# Altium PCB mantarray_beta2_sensor_arrayed.PcbDoc (part 3 of 14)
Units mil, origin at the board's own origin, x right, y up, seen from the top; angles counter-clockwise.
Board outline 6232.47 x 10167.51 mil, 8 copper layers (Layer1_Top, Layer2_sig1, Layer3_AVDD_PLANE, Layer4_GND_PLANE, Layer5_DVDD_PLANE, Layer6_BUS, Layer7_sig2, Layer8_BOT), stack 50.224 mil thick; 470 components, 492 nets, 4650 pads, 3798 vias.
Unrouted connection lines stored in the file: 3.
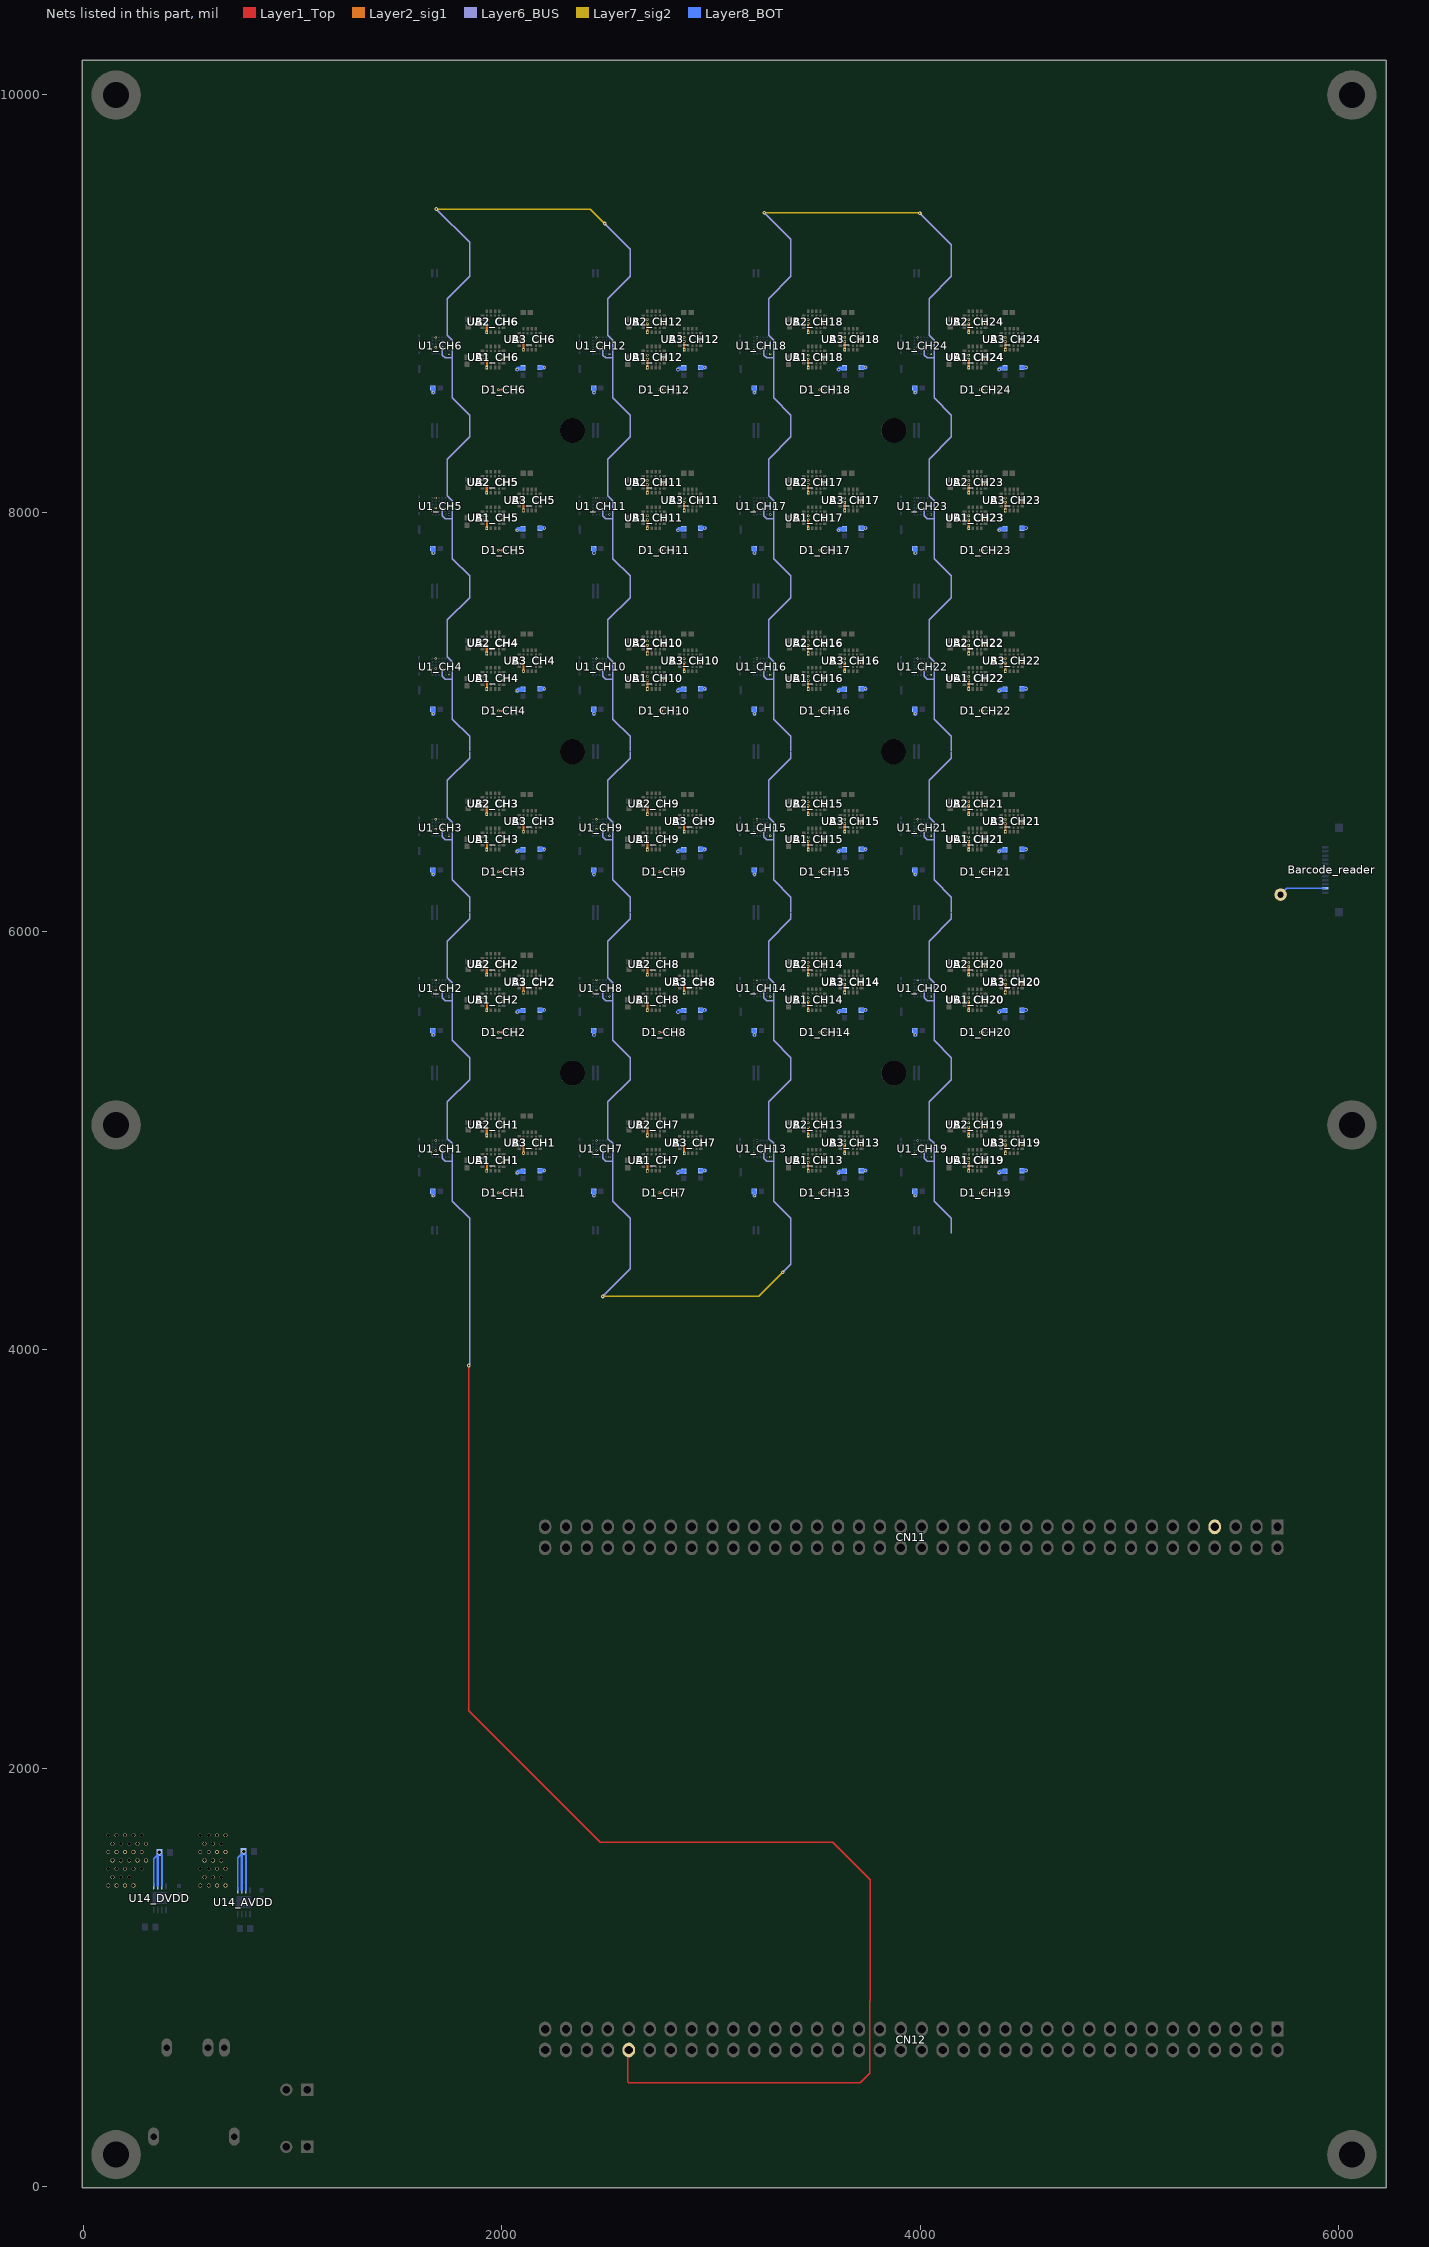
[diagram p9: the nets of this part, all layers, seen from the top]

## Via types
v1: diameter 12/12/12/12/12 (per signal layer), hole 7.87, Layer1_Top to Layer8_BOT, 2208 vias
v2: diameter 32, hole 20, Layer1_Top to Layer8_BOT, 815 vias
v3: diameter 10/10/10/10/10 (per signal layer), hole 7.87, Layer1_Top to Layer8_BOT, 456 vias
v4: diameter 18, hole 8, Layer6_BUS to Layer7_sig2, 102 vias
v5: diameter 10/10 (per signal layer), hole 7.87, Layer7_sig2 to Layer8_BOT, 96 vias
v6: diameter 18, hole 16, Layer1_Top to Layer8_BOT, 57 vias
v7: diameter 12, hole 7.87, Layer1_Top to Layer8_BOT, 26 vias
v8: diameter 18, hole 8, Layer1_Top to Layer8_BOT, 17 vias
v9: diameter 32, hole 16, Layer1_Top to Layer8_BOT, 10 vias
v10: diameter 19.68, hole 7.87, Layer1_Top to Layer8_BOT, 4 vias
v11: diameter 30, hole 20, Layer1_Top to Layer8_BOT, 3 vias
v12: diameter 70.87, hole 47.24, Layer1_Top to Layer8_BOT, 2 vias
v13: diameter 20, hole 16, Layer3_AVDD_PLANE to Layer8_BOT, 1 vias
v14: diameter 20, hole 16, Layer5_DVDD_PLANE to Layer8_BOT, 1 vias

## Nets (pads, with @x,y where several pads share a name; then routed paths per layer and width w, separated by ;. In a path a pad name is that pad's centre, name@x,y a point inside that pad or via, vN(x,y) a via of type N, cw(c..) or ccw(c..) an arc to the next point about the centre after c; other vN are vias at no path point) (continued)
AVDD: C1_CH1.2 C1_CH2.2 C1_CH3.2 C1_CH4.2 C1_CH5.2 C1_CH6.2 C1_CH7.2 C1_CH8.2 C1_CH9.2 C1_CH10.2 C1_CH11.2 C1_CH12.2 C1_CH13.2 C1_CH14.2 C1_CH15.2 C1_CH16.2 C1_CH17.2 C1_CH18.2 C1_CH19.2 C1_CH20.2 C1_CH21.2 C1_CH22.2 C1_CH23.2 C1_CH24.2 C2_CH1.2 C2_CH2.2 C2_CH3.2 C2_CH4.2 C2_CH5.2 C2_CH6.2 C2_CH7.2 C2_CH8.2 C2_CH9.2 C2_CH10.2 C2_CH11.2 C2_CH12.2 C2_CH13.2 C2_CH14.2 C2_CH15.2 C2_CH16.2 C2_CH17.2 C2_CH18.2 C2_CH19.2 C2_CH20.2 C2_CH21.2 C2_CH22.2 C2_CH23.2 C2_CH24.2 C72_AVDD.2 U1_CH1.D5 U1_CH1.E6 U1_CH2.D5 U1_CH2.E6 U1_CH3.D5 U1_CH3.E6 U1_CH4.D5 U1_CH4.E6 U1_CH5.D5 U1_CH5.E6 U1_CH6.D5 U1_CH6.E6 U1_CH7.D5 U1_CH7.E6 U1_CH8.D5 U1_CH8.E6 U1_CH9.D5 U1_CH9.E6 U1_CH10.D5 U1_CH10.E6 U1_CH11.D5 U1_CH11.E6 U1_CH12.D5 U1_CH12.E6 U1_CH13.D5 U1_CH13.E6 U1_CH14.D5 U1_CH14.E6 U1_CH15.D5 U1_CH15.E6 U1_CH16.D5 U1_CH16.E6 U1_CH17.D5 U1_CH17.E6 U1_CH18.D5 U1_CH18.E6 U1_CH19.D5 U1_CH19.E6 U1_CH20.D5 U1_CH20.E6 U1_CH21.D5 U1_CH21.E6 U1_CH22.D5 U1_CH22.E6 U1_CH23.D5 U1_CH23.E6 U1_CH24.D5 U1_CH24.E6 U14_AVDD.5 U14_AVDD.6 U14_AVDD.7 UA1_CH1.5 UA1_CH2.5 UA1_CH3.5 UA1_CH4.5 UA1_CH5.5 UA1_CH6.5 UA1_CH7.5 UA1_CH8.5 UA1_CH9.5 UA1_CH10.5 UA1_CH11.5 UA1_CH12.5 UA1_CH13.5 UA1_CH14.5 UA1_CH15.5 UA1_CH16.5 UA1_CH17.5 UA1_CH18.5 UA1_CH19.5 UA1_CH20.5 UA1_CH21.5 UA1_CH22.5 UA1_CH23.5 UA1_CH24.5 UA2_CH1.5 UA2_CH2.5 UA2_CH3.5 UA2_CH4.5 UA2_CH5.5 UA2_CH6.5 UA2_CH7.5 UA2_CH8.5 UA2_CH9.5 UA2_CH10.5 UA2_CH11.5 UA2_CH12.5 UA2_CH13.5 UA2_CH14.5 UA2_CH15.5 UA2_CH16.5 UA2_CH17.5 UA2_CH18.5 UA2_CH19.5 UA2_CH20.5 UA2_CH21.5 UA2_CH22.5 UA2_CH23.5 UA2_CH24.5 UA3_CH1.5 UA3_CH2.5 UA3_CH3.5 UA3_CH4.5 UA3_CH5.5 UA3_CH6.5 UA3_CH7.5 UA3_CH8.5 UA3_CH9.5 UA3_CH10.5 UA3_CH11.5 UA3_CH12.5 UA3_CH13.5 UA3_CH14.5 UA3_CH15.5 UA3_CH16.5 UA3_CH17.5 UA3_CH18.5 UA3_CH19.5 UA3_CH20.5 UA3_CH21.5 UA3_CH22.5 UA3_CH23.5 UA3_CH24.5 UB1_CH1.2 UB1_CH2.2 UB1_CH3.2 UB1_CH4.2 UB1_CH5.2 UB1_CH6.2 UB1_CH7.2 UB1_CH8.2 UB1_CH9.2 UB1_CH10.2 UB1_CH11.2 UB1_CH12.2 UB1_CH13.2 UB1_CH14.2 UB1_CH15.2 UB1_CH16.2 UB1_CH17.2 UB1_CH18.2 UB1_CH19.2 UB1_CH20.2 UB1_CH21.2 UB1_CH22.2 UB1_CH23.2 UB1_CH24.2 UB2_CH1.2 UB2_CH2.2 UB2_CH3.2 UB2_CH4.2 UB2_CH5.2 UB2_CH6.2 UB2_CH7.2 UB2_CH8.2 UB2_CH9.2 UB2_CH10.2 UB2_CH11.2 UB2_CH12.2 UB2_CH13.2 UB2_CH14.2 UB2_CH15.2 UB2_CH16.2 UB2_CH17.2 UB2_CH18.2 UB2_CH19.2 UB2_CH20.2 UB2_CH21.2 UB2_CH22.2 UB2_CH23.2 UB2_CH24.2 UB3_CH1.2 UB3_CH2.2 UB3_CH3.2 UB3_CH4.2 UB3_CH5.2 UB3_CH6.2 UB3_CH7.2 UB3_CH8.2 UB3_CH9.2 UB3_CH10.2 UB3_CH11.2 UB3_CH12.2 UB3_CH13.2 UB3_CH14.2 UB3_CH15.2 UB3_CH16.2 UB3_CH17.2 UB3_CH18.2 UB3_CH19.2 UB3_CH20.2 UB3_CH21.2 UB3_CH22.2 UB3_CH23.2 UB3_CH24.2 | length 2078.2
  Layer1_Top w6: UB2_CH1.2@2008.16,5064.67 2008.45,5064.96 v1(2009.84,5064.96) ; UB2_CH2.2@2008.16,5832.39 2008.45,5832.68 v1(2009.84,5832.68) ; UB2_CH3.2@2008.16,6600.11 2008.45,6600.39 v1(2009.84,6600.39) ; UB2_CH4.2@2008.16,7367.82 2008.45,7368.11 v1(2009.84,7368.11) ; UB2_CH5.2@2008.16,8135.54 2008.45,8135.83 v1(2009.84,8135.83) ; UB2_CH6.2@2008.16,8903.26 2008.45,8903.54 v1(2009.84,8903.54) ; v1(2103.84,4999.72) 2104.12,5000 UA3_CH1.5@2106.3,5000 ; v1(2103.84,5767.43) 2104.12,5767.72 UA3_CH2.5@2106.3,5767.72 ; v1(2103.84,6535.15) 2104.12,6535.43 UA3_CH3.5@2106.3,6535.43 ; v1(2103.84,7302.87) 2104.12,7303.15 UA3_CH4.5@2106.3,7303.15 ; v1(2103.84,8070.58) 2104.12,8070.87 UA3_CH5.5@2106.3,8070.87 ; v1(2103.84,8838.3) 2104.12,8838.58 UA3_CH6.5@2106.3,8838.58 ; UB2_CH7.2@2775.88,5064.67 2776.17,5064.96 v1(2777.56,5064.96) ; UB2_CH8.2@2775.88,5832.39 2776.17,5832.68 v1(2777.56,5832.68) ; UB2_CH9.2@2775.88,6600.11 2776.17,6600.39 v1(2777.56,6600.39) ; UB2_CH10.2@2775.88,7367.82 2776.17,7368.11 v1(2777.56,7368.11) ; UB2_CH11.2@2775.88,8135.54 2776.17,8135.83 v1(2777.56,8135.83) ; UB2_CH12.2@2775.88,8903.26 2776.17,8903.54 v1(2777.56,8903.54) ; v1(2871.55,4999.72) 2871.84,5000 UA3_CH7.5@2874.02,5000 ; v1(2871.55,5767.43) 2871.84,5767.72 UA3_CH8.5@2874.02,5767.72 ; v1(2871.55,6535.15) 2871.84,6535.43 UA3_CH9.5@2874.02,6535.43 ; v1(2871.55,7302.87) 2871.84,7303.15 UA3_CH10.5@2874.02,7303.15 ; v1(2871.55,8070.58) 2871.84,8070.87 UA3_CH11.5@2874.02,8070.87 ; v1(2871.55,8838.3) 2871.84,8838.58 UA3_CH12.5@2874.02,8838.58 ; UB2_CH13.2@3543.6,5064.67 3543.88,5064.96 v1(3545.28,5064.96) ; UB2_CH14.2@3543.6,5832.39 3543.88,5832.68 v1(3545.28,5832.68) ; UB2_CH15.2@3543.6,6600.11 3543.88,6600.39 v1(3545.28,6600.39) ; UB2_CH16.2@3543.6,7367.82 3543.88,7368.11 v1(3545.28,7368.11) ; UB2_CH17.2@3543.6,8135.54 3543.88,8135.83 v1(3545.28,8135.83) ; UB2_CH18.2@3543.6,8903.26 3543.88,8903.54 v1(3545.28,8903.54) ; v1(3639.27,4999.72) 3639.56,5000 UA3_CH13.5@3641.73,5000 ; v1(3639.27,5767.43) 3639.56,5767.72 UA3_CH14.5@3641.73,5767.72 ; v1(3639.27,6535.15) 3639.56,6535.43 UA3_CH15.5@3641.73,6535.43 ; v1(3639.27,7302.87) 3639.56,7303.15 UA3_CH16.5@3641.73,7303.15 ; v1(3639.27,8070.58) 3639.56,8070.87 UA3_CH17.5@3641.73,8070.87 ; v1(3639.27,8838.3) 3639.56,8838.58 UA3_CH18.5@3641.73,8838.58 ; UB2_CH19.2@4311.31,5064.67 4311.6,5064.96 v1(4312.99,5064.96) ; UB2_CH20.2@4311.31,5832.39 4311.6,5832.68 v1(4312.99,5832.68) ; UB2_CH21.2@4311.31,6600.11 4311.6,6600.39 v1(4312.99,6600.39) ; UB2_CH22.2@4311.31,7367.82 4311.6,7368.11 v1(4312.99,7368.11) ; UB2_CH23.2@4311.31,8135.54 4311.6,8135.83 v1(4312.99,8135.83) ; UB2_CH24.2@4311.31,8903.26 4311.6,8903.54 v1(4312.99,8903.54) ; v1(4406.99,4999.72) 4407.27,5000 UA3_CH19.5@4409.45,5000 ; v1(4406.99,5767.43) 4407.27,5767.72 UA3_CH20.5@4409.45,5767.72 ; v1(4406.99,6535.15) 4407.27,6535.43 UA3_CH21.5@4409.45,6535.43 ; v1(4406.99,7302.87) 4407.27,7303.15 UA3_CH22.5@4409.45,7303.15 ; v1(4406.99,8070.58) 4407.27,8070.87 UA3_CH23.5@4409.45,8070.87 ; v1(4406.99,8838.3) 4407.27,8838.58 UA3_CH24.5@4409.45,8838.58
  Layer8_BOT w6: U14_AVDD.5@738.19,1417.32 738.19,1571.85 757.88,1591.54 766.73,1600.39 v13(766.73,1602.36) ; 775.59,1458.66 777.56,1456.69 ; C1_CH1.2@1661.66,4767.08 C1_CH1.2@1671.26,4757.48 ; C1_CH2.2@1661.66,5534.8 C1_CH2.2@1671.26,5525.2 ; C1_CH3.2@1661.66,6302.51 C1_CH3.2@1671.26,6292.91 ; C1_CH4.2@1661.66,7070.23 C1_CH4.2@1671.26,7060.63 ; C1_CH5.2@1661.66,7837.94 C1_CH5.2@1671.26,7828.35 ; C1_CH6.2@1661.66,8605.66 C1_CH6.2@1671.26,8596.06 ; U1_CH1.E6@1668.75,4936.47 v3(1669.29,4937.01) ; U1_CH2.E6@1668.75,5704.19 v3(1669.29,5704.72) ; U1_CH3.E6@1668.75,6471.9 v3(1669.29,6472.44) ; U1_CH4.E6@1668.75,7239.62 v3(1669.29,7240.16) ; U1_CH5.E6@1668.75,8007.33 v3(1669.29,8007.87) ; U1_CH6.E6@1668.75,8775.05 v3(1669.29,8775.59) ; v1@1671.9,4735.24 1672.06,4735.24 1673.5,4736.67 v1(1673.5,4736.83) ; v1@1671.9,5502.95 1672.06,5502.95 1673.5,5504.39 v1(1673.5,5504.55) ; v1@1671.9,6270.67 1672.06,6270.67 1673.5,6272.1 v1(1673.5,6272.27) ; v1@1671.9,7038.39 1672.06,7038.39 1673.5,7039.82 v1(1673.5,7039.98) ; v1@1671.9,7806.1 1672.06,7806.1 1673.5,7807.54 v1(1673.5,7807.7) ; v1@1671.9,8573.82 1672.06,8573.82 1673.5,8575.25 v1(1673.5,8575.42) ; C2_CH1.2@2183.07,4856.3 C2_CH1.2@2183.07,4855.91 C2_CH1.2@2183.46,4856.3 ; C2_CH2.2@2183.07,5624.02 C2_CH2.2@2183.07,5623.62 C2_CH2.2@2183.46,5624.02 ; C2_CH3.2@2183.07,6391.73 C2_CH3.2@2183.07,6391.34 C2_CH3.2@2183.46,6391.73 ; C2_CH4.2@2183.07,7159.45 C2_CH4.2@2183.07,7159.06 C2_CH4.2@2183.46,7159.45 ; C2_CH5.2@2183.07,7927.17 C2_CH5.2@2183.07,7926.77 C2_CH5.2@2183.46,7927.17 ; C2_CH6.2@2183.07,8694.88 C2_CH6.2@2183.07,8694.49 C2_CH6.2@2183.46,8694.88 ; C1_CH7.2@2429.38,4767.08 C1_CH7.2@2438.98,4757.48 ; C1_CH8.2@2429.38,5534.8 C1_CH8.2@2438.98,5525.2 ; C1_CH9.2@2429.38,6302.51 C1_CH9.2@2438.98,6292.91 ; C1_CH10.2@2429.38,7070.23 C1_CH10.2@2438.98,7060.63 ; C1_CH11.2@2429.38,7837.94 C1_CH11.2@2438.98,7828.35 ; C1_CH12.2@2429.38,8605.66 C1_CH12.2@2438.98,8596.06 ; U1_CH7.E6@2436.47,4936.47 v3(2437.01,4937.01) ; U1_CH8.E6@2436.47,5704.19 v3(2437.01,5704.72) ; U1_CH9.E6@2436.47,6471.9 v3(2437.01,6472.44) ; U1_CH10.E6@2436.47,7239.62 v3(2437.01,7240.16) ; U1_CH11.E6@2436.47,8007.33 v3(2437.01,8007.87) ; U1_CH12.E6@2436.47,8775.05 v3(2437.01,8775.59) ; v1@2439.62,4735.24 2439.78,4735.24 2441.21,4736.67 v1(2441.21,4736.83) ; v1@2439.62,5502.95 2439.78,5502.95 2441.21,5504.39 v1(2441.21,5504.55) ; v1@2439.62,6270.67 2439.78,6270.67 2441.21,6272.1 v1(2441.21,6272.27) ; v1@2439.62,7038.39 2439.78,7038.39 2441.21,7039.82 v1(2441.21,7039.98) ; v1@2439.62,7806.1 2439.78,7806.1 2441.21,7807.54 v1(2441.21,7807.7) ; v1@2439.62,8573.82 2439.78,8573.82 2441.21,8575.25 v1(2441.21,8575.42) ; C2_CH7.2@2950.79,4856.3 C2_CH7.2@2950.79,4855.91 C2_CH7.2@2951.18,4856.3 ; C2_CH8.2@2950.79,5624.02 C2_CH8.2@2950.79,5623.62 C2_CH8.2@2951.18,5624.02 ; C2_CH9.2@2950.79,6391.73 C2_CH9.2@2950.79,6391.34 C2_CH9.2@2951.18,6391.73 ; C2_CH10.2@2950.79,7159.45 C2_CH10.2@2950.79,7159.06 C2_CH10.2@2951.18,7159.45 ; C2_CH11.2@2950.79,7927.17 C2_CH11.2@2950.79,7926.77 C2_CH11.2@2951.18,7927.17 ; C2_CH12.2@2950.79,8694.88 C2_CH12.2@2950.79,8694.49 C2_CH12.2@2951.18,8694.88 ; C1_CH13.2@3197.09,4767.08 C1_CH13.2@3206.69,4757.48 ; C1_CH14.2@3197.09,5534.8 C1_CH14.2@3206.69,5525.2 ; C1_CH15.2@3197.09,6302.51 C1_CH15.2@3206.69,6292.91 ; C1_CH16.2@3197.09,7070.23 C1_CH16.2@3206.69,7060.63 ; C1_CH17.2@3197.09,7837.94 C1_CH17.2@3206.69,7828.35 ; C1_CH18.2@3197.09,8605.66 C1_CH18.2@3206.69,8596.06 ; U1_CH13.E6@3204.19,4936.47 v3(3204.72,4937.01) ; U1_CH14.E6@3204.19,5704.19 v3(3204.72,5704.72) ; U1_CH15.E6@3204.19,6471.9 v3(3204.72,6472.44) ; U1_CH16.E6@3204.19,7239.62 v3(3204.72,7240.16) ; U1_CH17.E6@3204.19,8007.33 v3(3204.72,8007.87) ; U1_CH18.E6@3204.19,8775.05 v3(3204.72,8775.59) ; v1@3207.33,4735.24 3207.5,4735.24 3208.93,4736.67 v1(3208.93,4736.83) ; v1@3207.33,5502.95 3207.5,5502.95 3208.93,5504.39 v1(3208.93,5504.55) ; v1@3207.33,6270.67 3207.5,6270.67 3208.93,6272.1 v1(3208.93,6272.27) ; v1@3207.33,7038.39 3207.5,7038.39 3208.93,7039.82 v1(3208.93,7039.98) ; v1@3207.33,7806.1 3207.5,7806.1 3208.93,7807.54 v1(3208.93,7807.7) ; v1@3207.33,8573.82 3207.5,8573.82 3208.93,8575.25 v1(3208.93,8575.42) ; C2_CH13.2@3718.5,4856.3 C2_CH13.2@3718.5,4855.91 C2_CH13.2@3718.9,4856.3 ; C2_CH14.2@3718.5,5624.02 C2_CH14.2@3718.5,5623.62 C2_CH14.2@3718.9,5624.02 ; C2_CH15.2@3718.5,6391.73 C2_CH15.2@3718.5,6391.34 C2_CH15.2@3718.9,6391.73 ; C2_CH16.2@3718.5,7159.45 C2_CH16.2@3718.5,7159.06 C2_CH16.2@3718.9,7159.45 ; C2_CH17.2@3718.5,7927.17 C2_CH17.2@3718.5,7926.77 C2_CH17.2@3718.9,7927.17 ; C2_CH18.2@3718.5,8694.88 C2_CH18.2@3718.5,8694.49 C2_CH18.2@3718.9,8694.88 ; C1_CH19.2@3964.81,4767.08 C1_CH19.2@3974.41,4757.48 ; C1_CH20.2@3964.81,5534.8 C1_CH20.2@3974.41,5525.2 ; C1_CH21.2@3964.81,6302.51 C1_CH21.2@3974.41,6292.91 ; C1_CH22.2@3964.81,7070.23 C1_CH22.2@3974.41,7060.63 ; C1_CH23.2@3964.81,7837.94 C1_CH23.2@3974.41,7828.35 ; C1_CH24.2@3964.81,8605.66 C1_CH24.2@3974.41,8596.06 ; U1_CH19.E6@3971.9,4936.47 v3(3972.44,4937.01) ; U1_CH20.E6@3971.9,5704.19 v3(3972.44,5704.72) ; U1_CH21.E6@3971.9,6471.9 v3(3972.44,6472.44) ; U1_CH22.E6@3971.9,7239.62 v3(3972.44,7240.16) ; U1_CH23.E6@3971.9,8007.33 v3(3972.44,8007.87) ; U1_CH24.E6@3971.9,8775.05 v3(3972.44,8775.59) ; v1@3975.05,4735.24 3975.21,4735.24 3976.65,4736.67 v1(3976.65,4736.83) ; v1@3975.05,5502.95 3975.21,5502.95 3976.65,5504.39 v1(3976.65,5504.55) ; v1@3975.05,6270.67 3975.21,6270.67 3976.65,6272.1 v1(3976.65,6272.27) ; v1@3975.05,7038.39 3975.21,7038.39 3976.65,7039.82 v1(3976.65,7039.98) ; v1@3975.05,7806.1 3975.21,7806.1 3976.65,7807.54 v1(3976.65,7807.7) ; v1@3975.05,8573.82 3975.21,8573.82 3976.65,8575.25 v1(3976.65,8575.42) ; C2_CH19.2@4486.22,4856.3 C2_CH19.2@4486.22,4855.91 C2_CH19.2@4486.61,4856.3 ; C2_CH20.2@4486.22,5624.02 C2_CH20.2@4486.22,5623.62 C2_CH20.2@4486.61,5624.02 ; C2_CH21.2@4486.22,6391.73 C2_CH21.2@4486.22,6391.34 C2_CH21.2@4486.61,6391.73 ; C2_CH22.2@4486.22,7159.45 C2_CH22.2@4486.22,7159.06 C2_CH22.2@4486.61,7159.45 ; C2_CH23.2@4486.22,7927.17 C2_CH23.2@4486.22,7926.77 C2_CH23.2@4486.61,7927.17 ; C2_CH24.2@4486.22,8694.88 C2_CH24.2@4486.22,8694.49 C2_CH24.2@4486.61,8694.88
  Layer8_BOT w10: U14_AVDD.6@757.88,1417.32 C72_AVDD.2@757.88,1591.54 ; v13(766.73,1602.36) 776.5,1592.6 776.5,1585.84 777.56,1584.77 777.56,1456.69 U14_AVDD.7@777.56,1417.32
  Layer8_BOT w20: C1_CH1.2@1671.65,4757.87 1673.5,4756.03 v1(1673.5,4736.83) ; C1_CH2.2@1671.65,5525.59 1673.5,5523.75 v1(1673.5,5504.55) ; C1_CH3.2@1671.65,6293.31 1673.5,6291.46 v1(1673.5,6272.27) ; C1_CH4.2@1671.65,7061.02 1673.5,7059.18 v1(1673.5,7039.98) ; C1_CH5.2@1671.65,7828.74 1673.5,7826.9 v1(1673.5,7807.7) ; C1_CH6.2@1671.65,8596.46 1673.5,8594.61 v1(1673.5,8575.42) ; C2_CH1.2@2183.46,4856.3 v1(2202.76,4856.3) ; C2_CH2.2@2183.46,5624.02 v1(2202.76,5624.02) ; C2_CH3.2@2183.46,6391.73 v1(2202.76,6391.73) ; C2_CH4.2@2183.46,7159.45 v1(2202.76,7159.45) ; C2_CH5.2@2183.46,7927.17 v1(2202.76,7927.17) ; C2_CH6.2@2183.46,8694.88 v1(2202.76,8694.88) ; C1_CH7.2@2439.37,4757.87 2441.21,4756.03 v1(2441.21,4736.83) ; C1_CH8.2@2439.37,5525.59 2441.21,5523.75 v1(2441.21,5504.55) ; C1_CH9.2@2439.37,6293.31 2441.21,6291.46 v1(2441.21,6272.27) ; C1_CH10.2@2439.37,7061.02 2441.21,7059.18 v1(2441.21,7039.98) ; C1_CH11.2@2439.37,7828.74 2441.21,7826.9 v1(2441.21,7807.7) ; C1_CH12.2@2439.37,8596.46 2441.21,8594.61 v1(2441.21,8575.42) ; C2_CH7.2@2951.18,4856.3 v1(2970.47,4856.3) ; C2_CH8.2@2951.18,5624.02 v1(2970.47,5624.02) ; C2_CH9.2@2951.18,6391.73 v1(2970.47,6391.73) ; C2_CH10.2@2951.18,7159.45 v1(2970.47,7159.45) ; C2_CH11.2@2951.18,7927.17 v1(2970.47,7927.17) ; C2_CH12.2@2951.18,8694.88 v1(2970.47,8694.88) ; C1_CH13.2@3207.09,4757.87 3208.93,4756.03 v1(3208.93,4736.83) ; C1_CH14.2@3207.09,5525.59 3208.93,5523.75 v1(3208.93,5504.55) ; C1_CH15.2@3207.09,6293.31 3208.93,6291.46 v1(3208.93,6272.27) ; C1_CH16.2@3207.09,7061.02 3208.93,7059.18 v1(3208.93,7039.98) ; C1_CH17.2@3207.09,7828.74 3208.93,7826.9 v1(3208.93,7807.7) ; C1_CH18.2@3207.09,8596.46 3208.93,8594.61 v1(3208.93,8575.42) ; C2_CH13.2@3718.9,4856.3 v1(3738.19,4856.3) ; C2_CH14.2@3718.9,5624.02 v1(3738.19,5624.02) ; C2_CH15.2@3718.9,6391.73 v1(3738.19,6391.73) ; C2_CH16.2@3718.9,7159.45 v1(3738.19,7159.45) ; C2_CH17.2@3718.9,7927.17 v1(3738.19,7927.17) ; C2_CH18.2@3718.9,8694.88 v1(3738.19,8694.88) ; C1_CH19.2@3974.8,4757.87 3976.65,4756.03 v1(3976.65,4736.83) ; C1_CH20.2@3974.8,5525.59 3976.65,5523.75 v1(3976.65,5504.55) ; C1_CH21.2@3974.8,6293.31 3976.65,6291.46 v1(3976.65,6272.27) ; C1_CH22.2@3974.8,7061.02 3976.65,7059.18 v1(3976.65,7039.98) ; C1_CH23.2@3974.8,7828.74 3976.65,7826.9 v1(3976.65,7807.7) ; C1_CH24.2@3974.8,8596.46 3976.65,8594.61 v1(3976.65,8575.42) ; C2_CH19.2@4486.61,4856.3 v1(4505.91,4856.3) ; C2_CH20.2@4486.61,5624.02 v1(4505.91,5624.02) ; C2_CH21.2@4486.61,6391.73 v1(4505.91,6391.73) ; C2_CH22.2@4486.61,7159.45 v1(4505.91,7159.45) ; C2_CH23.2@4486.61,7927.17 v1(4505.91,7927.17) ; C2_CH24.2@4486.61,8694.88 v1(4505.91,8694.88)
  other v1: 2008.86,4895.67 2776.57,4895.67 3544.29,4895.67 4312.01,4895.67 1929.13,4915.08 2696.85,4915.08 3464.57,4915.08 4232.28,4915.08 2183.07,4980.31 2950.79,4980.31 3718.5,4980.31 4486.22,4980.31 1928.64,5084.36 2696.36,5084.36 3464.08,5084.36 4231.79,5084.36 2008.86,5663.39 2776.57,5663.39 3544.29,5663.39 4312.01,5663.39 1929.13,5682.79 2696.85,5682.79 3464.57,5682.79 4232.28,5682.79 2183.07,5748.03 2950.79,5748.03 3718.5,5748.03 4486.22,5748.03 1928.64,5852.08 2696.36,5852.08 3464.08,5852.08 4231.79,5852.08 2008.86,6431.1 2776.57,6431.1 3544.29,6431.1 4312.01,6431.1 1929.13,6450.51 2696.85,6450.51 3464.57,6450.51 4232.28,6450.51 2183.07,6515.75 2950.79,6515.75 3718.5,6515.75 4486.22,6515.75 1928.64,6619.8 2696.36,6619.8 3464.08,6619.8 4231.79,6619.8 2008.86,7198.82 2776.57,7198.82 3544.29,7198.82 4312.01,7198.82 1929.13,7218.23 2696.85,7218.23 3464.57,7218.23 4232.28,7218.23 2183.07,7283.46 2950.79,7283.46 3718.5,7283.46 4486.22,7283.46 1928.64,7387.51 2696.36,7387.51 3464.08,7387.51 4231.79,7387.51 2008.86,7966.54 2776.57,7966.54 3544.29,7966.54 4312.01,7966.54 1929.13,7985.94 2696.85,7985.94 3464.57,7985.94 4232.28,7985.94 2183.07,8051.18 2950.79,8051.18 3718.5,8051.18 4486.22,8051.18 1928.64,8155.23 2696.36,8155.23 3464.08,8155.23 4231.79,8155.23 2008.86,8734.25 2776.57,8734.25 3544.29,8734.25 4312.01,8734.25 1929.13,8753.66 2696.85,8753.66 3464.57,8753.66 4232.28,8753.66 2183.07,8818.9 2950.79,8818.9 3718.5,8818.9 4486.22,8818.9 1928.64,8922.94 2696.36,8922.94 3464.08,8922.94 4231.79,8922.94
  other v3: 1685.04,4952.76 2452.76,4952.76 3220.47,4952.76 3988.19,4952.76 1685.04,5720.47 2452.76,5720.47 3220.47,5720.47 3988.19,5720.47 1685.04,6488.19 2452.76,6488.19 3220.47,6488.19 3988.19,6488.19 1685.04,7255.91 2452.76,7255.91 3220.47,7255.91 3988.19,7255.91 1685.04,8023.62 2452.76,8023.62 3220.47,8023.62 3988.19,8023.62 1685.04,8791.34 2452.76,8791.34 3220.47,8791.34 3988.19,8791.34
  other v6: 560,1440 600,1440 640,1440 680,1440 580,1480 620,1480 660,1480 560,1520 600,1520 640,1520 680,1520 580,1560 620,1560 660,1560 560,1600 600,1600 640,1600 680,1600 580,1640 620,1640 660,1640 560,1680 600,1680 640,1680 680,1680
AVDD_DVDD: Barcode_reader.11 C3_CH1.2 C3_CH2.2 C3_CH3.2 C3_CH4.2 C3_CH5.2 C3_CH6.2 C3_CH7.2 C3_CH8.2 C3_CH9.2 C3_CH10.2 C3_CH11.2 C3_CH12.2 C3_CH13.2 C3_CH14.2 C3_CH15.2 C3_CH16.2 C3_CH17.2 C3_CH18.2 C3_CH19.2 C3_CH20.2 C3_CH21.2 C3_CH22.2 C3_CH23.2 C3_CH24.2 C72_DVDD.2 D1_CH1.1 D1_CH2.1 D1_CH3.1 D1_CH4.1 D1_CH5.1 D1_CH6.1 D1_CH7.1 D1_CH8.1 D1_CH9.1 D1_CH10.1 D1_CH11.1 D1_CH12.1 D1_CH13.1 D1_CH14.1 D1_CH15.1 D1_CH16.1 D1_CH17.1 D1_CH18.1 D1_CH19.1 D1_CH20.1 D1_CH21.1 D1_CH22.1 D1_CH23.1 D1_CH24.1 pad.6 U1_CH1.A5 U1_CH1.F1 U1_CH2.A5 U1_CH2.F1 U1_CH3.A5 U1_CH3.F1 U1_CH4.A5 U1_CH4.F1 U1_CH5.A5 U1_CH5.F1 U1_CH6.A5 U1_CH6.F1 U1_CH7.A5 U1_CH7.F1 U1_CH8.A5 U1_CH8.F1 U1_CH9.A5 U1_CH9.F1 U1_CH10.A5 U1_CH10.F1 U1_CH11.A5 U1_CH11.F1 U1_CH12.A5 U1_CH12.F1 U1_CH13.A5 U1_CH13.F1 U1_CH14.A5 U1_CH14.F1 U1_CH15.A5 U1_CH15.F1 U1_CH16.A5 U1_CH16.F1 U1_CH17.A5 U1_CH17.F1 U1_CH18.A5 U1_CH18.F1 U1_CH19.A5 U1_CH19.F1 U1_CH20.A5 U1_CH20.F1 U1_CH21.A5 U1_CH21.F1 U1_CH22.A5 U1_CH22.F1 U1_CH23.A5 U1_CH23.F1 U1_CH24.A5 U1_CH24.F1 U14_DVDD.5 U14_DVDD.6 U14_DVDD.7 UA1_CH1.6 UA1_CH2.6 UA1_CH3.6 UA1_CH4.6 UA1_CH5.6 UA1_CH6.6 UA1_CH7.6 UA1_CH8.6 UA1_CH9.6 UA1_CH10.6 UA1_CH11.6 UA1_CH12.6 UA1_CH13.6 UA1_CH14.6 UA1_CH15.6 UA1_CH16.6 UA1_CH17.6 UA1_CH18.6 UA1_CH19.6 UA1_CH20.6 UA1_CH21.6 UA1_CH22.6 UA1_CH23.6 UA1_CH24.6 UA2_CH1.6 UA2_CH2.6 UA2_CH3.6 UA2_CH4.6 UA2_CH5.6 UA2_CH6.6 UA2_CH7.6 UA2_CH8.6 UA2_CH9.6 UA2_CH10.6 UA2_CH11.6 UA2_CH12.6 UA2_CH13.6 UA2_CH14.6 UA2_CH15.6 UA2_CH16.6 UA2_CH17.6 UA2_CH18.6 UA2_CH19.6 UA2_CH20.6 UA2_CH21.6 UA2_CH22.6 UA2_CH23.6 UA2_CH24.6 UA3_CH1.6 UA3_CH2.6 UA3_CH3.6 UA3_CH4.6 UA3_CH5.6 UA3_CH6.6 UA3_CH7.6 UA3_CH8.6 UA3_CH9.6 UA3_CH10.6 UA3_CH11.6 UA3_CH12.6 UA3_CH13.6 UA3_CH14.6 UA3_CH15.6 UA3_CH16.6 UA3_CH17.6 UA3_CH18.6 UA3_CH19.6 UA3_CH20.6 UA3_CH21.6 UA3_CH22.6 UA3_CH23.6 UA3_CH24.6 UB1_CH1.13 UB1_CH2.13 UB1_CH3.13 UB1_CH4.13 UB1_CH5.13 UB1_CH6.13 UB1_CH7.13 UB1_CH8.13 UB1_CH9.13 UB1_CH10.13 UB1_CH11.13 UB1_CH12.13 UB1_CH13.13 UB1_CH14.13 UB1_CH15.13 UB1_CH16.13 UB1_CH17.13 UB1_CH18.13 UB1_CH19.13 UB1_CH20.13 UB1_CH21.13 UB1_CH22.13 UB1_CH23.13 UB1_CH24.13 UB2_CH1.13 UB2_CH2.13 UB2_CH3.13 UB2_CH4.13 UB2_CH5.13 UB2_CH6.13 UB2_CH7.13 UB2_CH8.13 UB2_CH9.13 UB2_CH10.13 UB2_CH11.13 UB2_CH12.13 UB2_CH13.13 UB2_CH14.13 UB2_CH15.13 UB2_CH16.13 UB2_CH17.13 UB2_CH18.13 UB2_CH19.13 UB2_CH20.13 UB2_CH21.13 UB2_CH22.13 UB2_CH23.13 UB2_CH24.13 UB3_CH1.13 UB3_CH2.13 UB3_CH3.13 UB3_CH4.13 UB3_CH5.13 UB3_CH6.13 UB3_CH7.13 UB3_CH8.13 UB3_CH9.13 UB3_CH10.13 UB3_CH11.13 UB3_CH12.13 UB3_CH13.13 UB3_CH14.13 UB3_CH15.13 UB3_CH16.13 UB3_CH17.13 UB3_CH18.13 UB3_CH19.13 UB3_CH20.13 UB3_CH21.13 UB3_CH22.13 UB3_CH23.13 UB3_CH24.13 | length 4839.9